# Allegro board pc065c_fibv2_toplevel_13_fix.brd (continued)
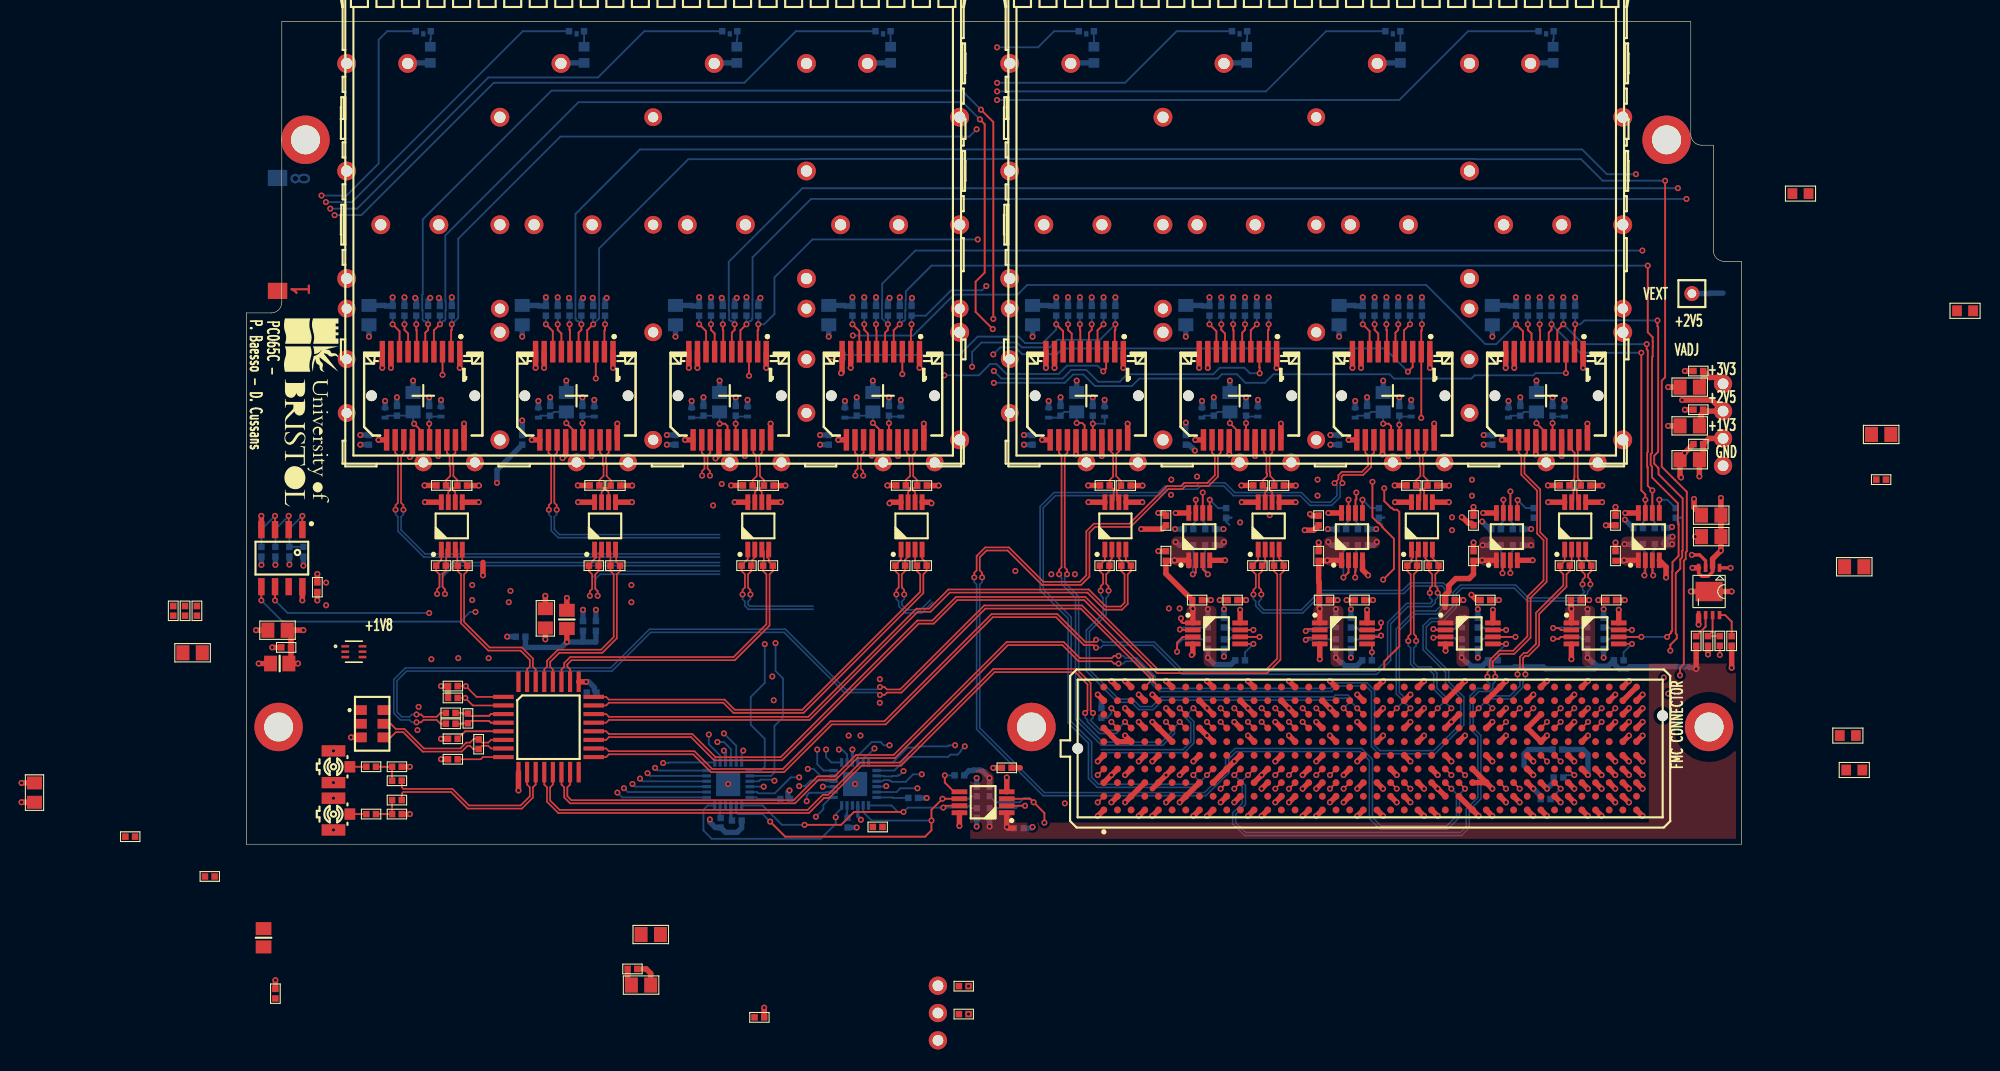
[diagram p0: board, top side]
## Routing (per net, layer and track width the routed paths; a pad name or vN(x,y) marks a point on that pad's centre or on a via; arc(x,y) is an arc through that point) (continued)
SFP_TX_DISABLE<6>: length 141.6
  TOP w0.17: v1(108,43.94) 108.44,44.38 J28.3
  L3_SIG w0.17: v1(53.9,8.8) 53.9,10.7 54.8,11.6 56.5,11.6 59.5,8.6 59.5,6.7 60,6.2 61.3,6.2 63.1,8 67.2,8 68.3,9.1 68.3,18.5 71.4,21.6 74.4,21.6 75.3,20.7 81.1,20.7 85.3,16.5 92.9,16.5 102.9,26.5 102.9,30.1 103.9,31.1 108.2,31.1 109.1,32 109.1,36.1 106.5,38.7 106.5,42.44 v1(108,43.94)
  BOTTOM w0.17: v1(69.45,45.55) 70.1,46.2 71.5,46.2 72.13,45.57 75.37,45.57 75.9,46.1 105.84,46.1 v1(108,43.94) ; v1(53.9,8.8) 53.9,8.1 54.4,7.6 IC10.7
SFP_TX_DISABLE<7>: length 101.2
  TOP w0.17: J24.3 v1(122.69,43.81)
  L6_SIG w0.17: v1(55.1,8.8) 55.8,9.5 57.8,9.5 59.5,11.2 61,11.2 67.1,17.3 67.1,26.4 69.5,28.8 v1(69.5,42.9)
  BOTTOM w0.17: v1(122.69,43.81) 119.86,43.81 119.65,43.6 114.2,43.6 113.9,43.3 106.7,43.3 106.3,43.7 95.5,43.7 94.7,42.9 92.9,42.9 92.1,43.7 90.7,43.7 90.3,43.3 83.04,43.3 82.34,42.6 78.9,42.6 77.83,43.67 76.88,43.67 76.1,42.9 v1(69.5,42.9) ; v1(55.1,8.8) 55.4,8.8 55.85,8.35 IC10.8
TD_FFD_N<0>: length 45.9
  TOP w0.15: U3.2 18.59,27.4 18.59,25.93 R1.2 18.55,25.4 18.25,25.09 18.25,23.92 18.46,23.7 v1(18.46,23.27) ; J2.H8 v1(88.05,12.64)
  BOTTOM w0.15: 79.5,8.5 87.2,8.5 88.1,9.4 88.1,11.4 87.56,11.94 87.56,12.15 v1(88.05,12.64) ; 44.01,25.9 19.3,25.9 18.25,24.84 18.25,23.93 18.46,23.7 v1(18.46,23.27)
TD_FFD_N<1>: length 18.8
  TOP w0.15: v1(32.66,23.1) 32.66,23.53 32.45,23.75 32.45,25.09 32.75,25.4 R187.2 32.75,26.2 32.84,26.29 32.84,27.15 32.89,27.2 32.89,27.26 U4.2 ; J2.H11 v1(91.86,12.64)
  BOTTOM w0.15: v1(32.66,23.1) 32.66,23.54 32.45,23.76 32.45,24.64 32.9,25.1 44.01,25.1
TD_FFD_N<2>: length 12.5
  TOP w0.15: v1(46.87,23.22) 46.87,23.65 46.65,23.87 46.65,25.09 46.95,25.4 R189.2 47.05,26 47.05,26.44 47.27,26.66 U5.2 ; J2.H14 v1(95.67,12.64)
  BOTTOM w0.15: v1(46.87,23.22) 46.87,22.79 46.65,22.57 46.65,22.29 46.8,22.14 52.7,22.14
TD_FFD_N<3>: length 9.6
  TOP w0.15: v1(61.16,23.22) 61.16,23.65 60.95,23.87 60.95,25.09 61.25,25.4 R191.2 61.25,26.45 61.5,26.7 61.52,26.7 U6.2 ; J2.H17 v1(99.48,12.64)
  BOTTOM w0.15: v1(61.16,23.22) 61.16,22.79 60.95,22.57 60.95,22.26 61.41,21.79 62.68,21.79 63.59,22.7
TD_FFD_N<4>: length 40.5
  TOP w0.15: 103.86,12.07 v1(103.29,12.64) ; U10.2 80.47,26.57 80.25,26.35 R199.2 80.25,25.4 79.94,25.09 79.94,24.22 80.17,24 v1(80.17,23.57)
  BOTTOM w0.15: v1(80.17,23.57) 80.17,23.13 79.94,22.91 79.94,21.33 78.39,19.78 78.39,16.22 81.12,13.49 82.41,13.49 83.1,12.8 84.19,12.8 85.08,13.69 101.09,13.69 101.27,13.87 102.43,13.87 102.8,13.5 102.8,13.13 v1(103.29,12.64)
TD_FFD_N<5>: length 40
  TOP w0.15: J2.H23 v1(108.23,12.64) ; v1(94.36,23.22) 94.36,23.65 94.14,23.87 94.14,25.09 94.45,25.4 R197.2 94.72,26.18 U9.2
  BOTTOM w0.15: v1(94.36,23.22) 94.36,22.79 94.14,22.57 94.14,22.26 94.61,21.79 98.09,21.79 99.9,23.6 107.5,23.6 108.2,24.3 111.3,24.3 111.7,23.9 111.7,22.4 110.7,21.4 108.7,21.4 107.2,19.9 107.2,14.11 107.74,13.57 107.74,13.13 v1(108.23,12.64)
TD_FFD_N<6>: length 18.1
  TOP w0.15: v1(108.77,18.9) 108.77,19.33 108.55,19.55 108.55,25.09 108.85,25.4 R195.2 108.85,26.3 108.78,26.37 108.78,27.21 U8.2 ; J2.H26 v1(112.04,12.64)
  BOTTOM w0.15: v1(112.04,12.64) 111.55,13.13 111.55,13.66 110.69,14.52 110.69,15.92 110.12,16.49 108.92,16.49 108.55,16.87 108.55,18.24 108.77,18.46 v1(108.77,18.9)
TD_FFD_N<7>: length 20.6
  TOP w0.15: v1(118.92,15.8) 118.92,16.23 118.7,16.45 118.7,17.3 118.9,17.5 119.2,17.5 120.2,18.5 120.2,21.4 122.75,23.95 122.75,25.09 123.05,25.4 R193.2 123.22,26.07 U7.2 ; J2.H29 v1(115.85,12.64)
  BOTTOM w0.15: v1(118.92,15.8) 118.92,15.36 118.7,15.14 118.7,14.6 117.6,13.5 115.51,13.5 115.36,13.35 115.36,13.13 v1(115.85,12.64)
TD_FFD_P<0>: length 45.8
  TOP w0.15: J2.H7 v1(86.78,12.64) ; v1(17.73,23.27) 17.73,23.7 17.95,23.92 17.95,25.09 17.65,25.4 R1.1 17.65,25.96 18.12,26.43 U3.1
  BOTTOM w0.15: 44.01,26.19 19.18,26.19 17.95,24.97 17.95,23.93 17.73,23.7 v1(17.73,23.27) ; v1(86.78,12.64) 87.27,12.15 87.27,11.82 87.81,11.28 87.81,9.52 87.08,8.79 79.5,8.79
TD_FFD_P<1>: length 19.5
  TOP w0.15: v1(31.93,23.1) 31.93,23.53 32.16,23.75 32.16,25.09 31.85,25.4 R187.1 32.15,26.2 32.15,26.3 32.55,26.7 32.55,27.06 32.49,27.11 32.49,27.13 32.38,27.25 U4.1 ; J2.H10 v1(90.59,12.64)
  BOTTOM w0.15: 44.01,25.39 32.78,25.39 32.16,24.77 32.16,23.76 31.93,23.54 v1(31.93,23.1)
TD_FFD_P<2>: length 13.1
  TOP w0.15: U5.1 46.62,26.52 46.15,26.05 46.15,26 R189.1 46.05,25.4 46.35,25.09 46.35,23.87 46.13,23.65 v1(46.13,23.22) ; J2.H13 v1(94.4,12.64)
  BOTTOM w0.15: 52.7,21.84 46.67,21.84 46.35,22.16 46.35,22.57 46.13,22.79 v1(46.13,23.22)
TD_FFD_P<3>: length 10.4
  TOP w0.15: U6.1 60.88,26.47 60.35,25.95 R191.1 60.35,25.4 60.66,25.09 60.66,23.87 60.44,23.65 v1(60.44,23.22) ; 98.78,12.07 v1(98.21,12.64)
  BOTTOM w0.15: v1(60.44,23.22) 60.44,22.79 60.66,22.57 60.66,22.14 61.29,21.5 62.8,21.5 63.8,22.5
TD_FFD_P<4>: length 40.6
  TOP w0.15: v1(79.44,23.57) 79.44,24 79.66,24.22 79.66,25.09 79.35,25.4 R199.1 79.35,25.93 79.83,26.41 U10.1 ; J2.H19 v1(102.02,12.64)
  BOTTOM w0.15: v1(79.44,23.57) 79.44,23.13 79.66,22.91 79.66,21.45 78.1,19.9 78.1,16.1 81,13.2 82.29,13.2 82.98,12.51 84.31,12.51 85.2,13.4 101.21,13.4 101.39,13.58 102.31,13.58 102.51,13.38 102.51,13.13 v1(102.02,12.64)
TD_FFD_P<5>: length 40.1
  TOP w0.15: U9.1 94.08,26.46 93.55,25.93 R197.1 93.55,25.4 93.86,25.09 93.86,23.87 93.64,23.65 v1(93.64,23.22) ; J2.H22 v1(106.96,12.64)
  BOTTOM w0.15: v1(106.96,12.64) 107.45,13.13 107.45,13.45 106.91,13.99 106.91,20.02 108.58,21.69 110.58,21.69 111.41,22.52 111.41,23.78 111.18,24.01 108.32,24.01 107.62,23.31 100.02,23.31 98.21,21.5 94.49,21.5 93.86,22.14 93.86,22.57 93.64,22.79 v1(93.64,23.22)
TD_FFD_P<6>: length 18.3
  TOP w0.15: J2.H25 v1(110.77,12.64) ; U8.1 108.5,27.23 108.5,26.7 108.33,26.53 108.33,26.27 R195.1 107.95,25.4 108.25,25.09 108.25,19.55 108.03,19.33 v1(108.03,18.9)
  BOTTOM w0.15: v1(110.77,12.64) 111.26,13.13 111.26,13.54 110.4,14.4 110.4,15.8 110,16.2 108.8,16.2 108.25,16.75 108.25,18.24 108.03,18.46 v1(108.03,18.9)
TD_FFD_P<7>: length 20.7
  TOP w0.15: U7.1 122.58,26.36 122.52,26.3 122.52,26.27 R193.1 122.15,25.4 122.45,25.09 122.45,24.07 119.91,21.52 119.91,18.62 119.08,17.79 118.78,17.79 118.41,17.42 118.41,16.45 118.19,16.23 v1(118.19,15.8) ; J2.H28 v1(114.58,12.64)
  BOTTOM w0.15: v1(114.58,12.64) 115.07,13.13 115.07,13.47 115.39,13.79 117.48,13.79 118.41,14.72 118.41,15.14 118.19,15.36 v1(118.19,15.8)
UNNAMED_1_CAPCERSMDCL2_I31_B: length 5.7
  TOP w0.17: v1(15.6,39.1) 16.24,38.46 J7.15
  BOTTOM w0.17: v1(15.6,39.1) 15.5,39.2 C34.2 15.15,39.85 C35.2 13.09,39.85 L5.1
UNNAMED_1_CAPCERSMDCL2_I31_B_1: length 5.7
  TOP w0.17: v1(29.75,39.15) 30.49,38.41 J12.15
  BOTTOM w0.17: L7.1 27.34,39.85 C44.2 28.6,40.2 C43.2 v1(29.75,39.15)
UNNAMED_1_CAPCERSMDCL2_I31_B_2: length 6
  TOP w0.17: J16.15 44.74,38.88 44.52,39.1 v1(44,39.1)
  BOTTOM w0.17: v1(44,39.1) C48.2 43.65,39.85 C49.2 42.31,39.66 L9.1
UNNAMED_1_CAPCERSMDCL2_I31_B_3: length 5.7
  TOP w0.17: v1(58.25,39.17) 58.99,38.43 J20.15
  BOTTOM w0.17: v1(58.25,39.17) C53.2 57.9,39.85 C54.2 56.56,39.66 L11.1
UNNAMED_1_CAPCERSMDCL2_I31_B_4: length 5.7
  TOP w0.17: J24.15 120.69,38.41 v1(119.95,39.15)
  BOTTOM w0.17: L13.1 117.53,39.85 C63.2 118.8,40.2 C62.2 v1(119.95,39.15)
UNNAMED_1_CAPCERSMDCL2_I31_B_5: length 6
  TOP w0.17: J28.15 106.44,38.88 106.22,39.1 v1(105.7,39.1)
  BOTTOM w0.17: L15.1 103.28,39.85 C68.2 104.55,40.2 C67.2 v1(105.7,39.1)
UNNAMED_1_CAPCERSMDCL2_I31_B_6: length 5.7
  TOP w0.17: v1(91.45,39.15) 92.19,38.41 J32.15
  BOTTOM w0.17: v1(91.45,39.15) C72.2 90.3,40.2 C73.2 89.03,39.85 L17.1
UNNAMED_1_CAPCERSMDCL2_I31_B_7: length 6
  TOP w0.17: J36.15 77.94,38.95 77.72,39.17 v1(77.2,39.17)
  BOTTOM w0.17: v1(77.2,39.17) C77.2 76.05,40.2 C78.2 75.52,39.66 L19.1
UNNAMED_1_CAPCERSMDCL2_I35_B: length 3.4
  TOP w0.17: v1(17,39.1) 17,37.64 J7.16
  BOTTOM w0.17: L4.2 17.09,39.77 C33.2 v1(17,39.1)
UNNAMED_1_CAPCERSMDCL2_I35_B_1: length 3.4
  TOP w0.17: v1(31.25,39.15) 31.25,37.64 J12.16
  BOTTOM w0.17: L6.2 31.34,39.77 C42.2 v1(31.25,39.15)
UNNAMED_1_CAPCERSMDCL2_I35_B_2: length 3.4
  TOP w0.17: v1(45.5,39.1) 45.5,37.64 J16.16
  BOTTOM w0.17: v1(45.5,39.1) C47.2 45.59,39.77 L8.2
UNNAMED_1_CAPCERSMDCL2_I35_B_3: length 3.4
  TOP w0.17: v1(59.75,39.15) 59.75,37.64 J20.16
  BOTTOM w0.17: v1(59.75,39.15) C52.2 59.84,39.77 L10.2
UNNAMED_1_CAPCERSMDCL2_I35_B_4: length 3.4
  TOP w0.17: J24.16 121.45,37.64 v1(121.45,39.15)
  BOTTOM w0.17: v1(121.45,39.15) C61.2 121.53,39.77 L12.2
UNNAMED_1_CAPCERSMDCL2_I35_B_5: length 3.4
  TOP w0.17: v1(107.2,39) 107.2,37.64 J28.16
  BOTTOM w0.17: v1(107.2,39) C66.2 107.28,39.77 L14.2
UNNAMED_1_CAPCERSMDCL2_I35_B_6: length 3.4
  TOP w0.17: J32.16 92.95,37.64 v1(92.95,39.15)
  BOTTOM w0.17: v1(92.95,39.15) C71.2 93.03,39.77 L16.2
UNNAMED_1_CAPCERSMDCL2_I35_B_7: length 4.1
  TOP w0.17: J36.16 78.7,37.64 v1(78.7,39.1)
  BOTTOM w0.17: C76.2 v1(78.7,39.1) 79.78,39.1 79.8,39.08 L18.2
UNNAMED_1_CON20PSFP_I19_RATES_1: length 3.5
  TOP w0.17: v1(28.95,48.34) 28.95,47.83 29.29,47.49 J12.7
  BOTTOM w0.17: R41.1 v1(28.95,48.34)
UNNAMED_1_CON20PSFP_I19_RATES_2: length 3.5
  TOP w0.17: J16.7 43.54,47.49 43.2,47.83 v1(43.2,48.34)
  BOTTOM w0.17: R49.1 v1(43.2,48.34)
UNNAMED_1_CON20PSFP_I19_RATES_3: length 3.5
  TOP w0.17: J20.7 57.79,47.49 57.45,47.83 v1(57.45,48.34)
  BOTTOM w0.17: R57.1 v1(57.45,48.34)
UNNAMED_1_CON20PSFP_I19_RATES_4: length 3.5
  TOP w0.17: v1(119.15,48.34) 119.15,47.83 119.49,47.49 J24.7
  BOTTOM w0.17: R106.1 v1(119.15,48.34)
UNNAMED_1_CON20PSFP_I19_RATES_5: length 3.5
  TOP w0.17: v1(104.9,48.34) 104.9,47.83 105.24,47.49 J28.7
  BOTTOM w0.17: R114.1 v1(104.9,48.34)
UNNAMED_1_CON20PSFP_I19_RATES_6: length 3.5
  TOP w0.17: J32.7 90.99,47.49 90.65,47.83 v1(90.65,48.34)
  BOTTOM w0.17: R122.1 v1(90.65,48.34)
UNNAMED_1_CON20PSFP_I19_RATES_7: length 3.5
  TOP w0.17: v1(76.4,48.34) 76.4,47.83 76.74,47.49 J36.7
  BOTTOM w0.17: R130.1 v1(76.4,48.34)
UNNAMED_1_CON20PSFP_I19_RATESEL: length 3.5
  TOP w0.17: J7.7 15.04,47.49 14.7,47.83 v1(14.7,48.34)
  BOTTOM w0.17: R29.1 v1(14.7,48.34)
UNNAMED_1_RSMD0402_I7_B: length 3.3
  TOP w0.17: IC11.5 65.8,4.88 64.94,5.74 v1(64.94,6.4)
  BOTTOM w0.17: R133.2 v1(64.94,6.4)
UNNAMED_1_RSMD0402_I7_B_1: length 3.1
  TOP w0.17: IC12.5 v1(93.63,18.62)
  BOTTOM w0.17: v1(93.63,18.62) 92.85,17.84 R138.2
UNNAMED_1_RSMD0402_I7_B_2: length 1.9
  TOP w0.17: IC14.5 104.48,18.62 104.65,18.45 v1(104.65,17.84)
  BOTTOM w0.17: R143.2 v1(104.65,17.84)
UNNAMED_1_RSMD0402_I7_B_3: length 3.1
  TOP w0.17: IC15.5 v1(117.13,18.62)
  BOTTOM w0.17: R148.2 116.35,17.84 v1(117.13,18.62)
UNNAMED_1_RSMD0402_I7_B_4: length 3.1
  TOP w0.17: IC16.5 v1(128.83,18.62)
  BOTTOM w0.17: R153.2 128.05,17.84 v1(128.83,18.62)
UNNAMED_1_RSMD0402_I7_B_5: length 3.1
  TOP w0.17: 89.58,30.8 v1(89.58,32.03)
  BOTTOM w0.17: v1(89.58,32.03) 90.36,31.25 R158.2
UNNAMED_1_RSMD0402_I7_B_6: length 3.1
  TOP w0.17: 103.78,30.8 v1(103.78,32.03)
  BOTTOM w0.17: R163.2 104.56,31.25 v1(103.78,32.03)
UNNAMED_1_RSMD0402_I7_B_7: length 3
  TOP w0.17: v1(118.2,32) 118.17,31.98 IC19.5
  BOTTOM w0.17: R168.2 118.95,31.25 v1(118.2,32)
UNNAMED_1_RSMD0402_I7_B_8: length 3.1
  TOP w0.17: IC20.5 v1(131.38,32.03)
  BOTTOM w0.17: v1(131.38,32.03) 132.12,32.03 R173.2
UNNAMED_4_FMCHPCGENERIC_I62_GA0: length 2.2
  TOP w0.17: 121.64,5.72 v1(122.2,5.16)
  BOTTOM w0.17: v1(122.2,5.16) 121.85,4.8 121.85,4.8 R16.2
UNNAMED_4_FMCHPCGENERIC_I62_GA1: length 1.9
  TOP w0.17: 122.91,7 v1(123.47,6.43)
  BOTTOM w0.17: R20.2 122.68,6.43 v1(123.47,6.43)
UNNAMED_5_24AA025E48_I9_A0: length 6
  TOP w0.17: IC1.1 v1(5.21,30.53)
  BOTTOM w0.17: v1(5.21,30.53) 4,29.32 R202.1 R201.1
UNNAMED_5_24AA025E48_I9_A1: length 4.7
  TOP w0.17: 3.94,29.25 v1(3.94,30.53)
  BOTTOM w0.17: R204.1 2.7,29.3 v1(3.94,30.53)
UNNAMED_5_24AA025E48_I9_A2: length 4.7
  TOP w0.17: IC1.3 v1(2.67,30.53)
  BOTTOM w0.17: v1(2.67,30.53) 1.4,29.27 R203.1
UNNAMED_7_CAPCERSMDCL2_I28_B: length 2.7
  TOP w0.17: C101.2 138.1,20.7 137.5,21.3 U11.8
UNNAMED_7_MP20075REG_I17_EN: length 3.2
  TOP w0.17: R62.2 R182.2 136.32,19.77 U11.7
UNNAMED_7_MP20075REG_I17_REF: length 2.3
  TOP w0.17: R183.2 135.68,20.23 U11.6
UNNAMED_8_CAPCERSMDCL2_I154_B: length 2.8
  TOP w0.17: R18.1 R12.2 C30.2
UNNAMED_8_CAPCERSMDCL2_I158_B: length 2.8
  TOP w0.17: C121.2 R17.2 R19.1
UNNAMED_8_CAPCERSMDCL2_I167_A: length 4.6
  TOP w0.17: U1.3 22.73,12.1 22.57,11.94 20.82,11.94 R2.1 20.09,12.15 20.04,12.2 C16.1
UNNAMED_8_CAPCERSMDCL2_I168_B: length 4.6
  TOP w0.17: C18.2 20.04,11.2 20.09,11.25 R2.2 20.82,11.46 22.57,11.46 22.73,11.3 U1.4
UNNAMED_8_PCOAX_I121_A: length 1.5
  TOP w0.17: R18.2 PX3.1
UNNAMED_8_PCOAX_I155_A: length 1.5
  TOP w0.17: R19.2 PX4.1
UNNAMED_13_RSMD0402_I6_B: length 3
  BOTTOM w0.17: IC10.18 60.07,4.35 60.12,4.3 R31.2
UNNAMED_13_RSMD0402_I8_B: length 1.2
  BOTTOM w0.17: IC10.23 55.85,2.91 55.8,2.86 R32.2
UNNAMED_13_RSMD0402_I45_B: length 2.9
  BOTTOM w0.17: IC23.18 47.41,4.35 47.56,4.2 R180.2
UNNAMED_13_RSMD0402_I46_B: length 1.2
  BOTTOM w0.17: IC23.23 44.05,2.91 44,2.86 R181.2
UNNAMED_13_RSMD0603_I76_A: length 1.5
  BOTTOM w0.17: DS1.1 17.15,74.87 17.1,74.82 R30.1
UNNAMED_13_RSMD0603_I77_A: length 1.4
  BOTTOM w0.17: DS2.1 R33.1
UNNAMED_13_RSMD0603_I78_A: length 1.5
  BOTTOM w0.17: R58.1 45.6,74.82 45.65,74.87 DS3.1
UNNAMED_13_RSMD0603_I79_A: length 1.4
  BOTTOM w0.17: DS4.1 R59.1
UNNAMED_13_RSMD0603_I80_A: length 1.4
  BOTTOM w0.17: DS5.1 R60.1
UNNAMED_13_RSMD0603_I81_A: length 1.5
  BOTTOM w0.17: DS6.1 93.05,74.87 93,74.82 R61.1
UNNAMED_13_RSMD0603_I82_A: length 1.4
  BOTTOM w0.17: DS7.1 R63.1
UNNAMED_13_RSMD0603_I83_A: length 1.5
  BOTTOM w0.17: R64.1 121.5,74.82 121.55,74.87 DS8.1
VADJ: length 3.2
  TOP w0.5: 129.25,12.07 v1(129.82,12.64) ; 129.25,9.54 v1(129.82,10.1) ; J2.G39 v1(128.55,11.37) ; J2.E39 v1(128.55,7.7)
VIO_B_M2C: length 1.8
  TOP w0.5: J2.J39 129.25,14.62

## Copper pours and planes (outline as drawn; the poured copper is in the pictures)
GND on L2_GND, L7_GND: 3.8,76 133.8,76 133.8,66 134.24,64.94 135.3,64.5 135.9,64.5 135.9,55.2 136.34,54.14 137.4,53.7 138.5,53.7 138.5,0.5 0.5,0.5 0.5,48.9 2.3,48.9 3.36,49.34 3.8,50.4 3.8,50.7 6.1,50.7 6.1,62.7 3.8,62.7
P1V3 on L5_PWR: 3.8,76 133.8,76 133.8,66 134.24,64.94 135.3,64.5 135.9,64.5 135.9,55.2 136.34,54.14 137.4,53.7 138.5,53.7 138.5,0.5 0.5,0.5 0.5,48.9 2.3,48.9 3.36,49.34 3.8,50.4 3.8,50.7 6.1,50.7 6.1,62.7 3.8,62.7
P2V5 on TOP: 113.2,16.5 113.55,16.65 113.7,17 113.7,21.7 113.55,22.05 113.2,22.2 111.4,22.2 111.05,22.05 110.9,21.7 110.9,20.8 111.05,20.45 111.4,20.3 112,20.3 112.35,20.15 112.5,19.8 112.5,17 112.65,16.65 113,16.5
P2V5 on TOP: 101.5,16.5 101.85,16.65 102,17 102,21.7 101.85,22.05 101.5,22.2 99.7,22.2 99.35,22.05 99.2,21.7 99.2,20.8 99.35,20.45 99.7,20.3 100.3,20.3 100.65,20.15 100.8,19.8 100.8,17 100.95,16.65 101.3,16.5
P2V5 on TOP: 91.2,28.1 91.05,28.45 90.7,28.6 86.48,28.6 86.13,28.45 85.98,28.1 85.98,26.42 86.13,26.07 86.48,25.92 87.38,25.92 87.74,26.07 87.88,26.42 87.88,27.02 88.03,27.38 88.38,27.52 90.7,27.52 91.05,27.67 91.2,28.02
P2V5 on TOP: 130.4,16.8 138.5,16.8 138.5,0.5 67.3,0.5 67.3,6 67.59,6.71 68.3,7 68.5,7 69.21,6.71 69.5,6 69.5,4.2 69.79,3.49 70.5,3.2 71.1,3.2 71.1,2.8 71.21,2.48 71.5,2.31 71.5,2 130.4,2
P2V5 on TOP: 124.9,16.5 125.25,16.65 125.4,17 125.4,21.7 125.25,22.05 124.9,22.2 123.1,22.2 122.75,22.05 122.6,21.7 122.6,20.8 122.75,20.45 123.1,20.3 123.7,20.3 124.05,20.15 124.2,19.8 124.2,17 124.35,16.65 124.7,16.5
P2V5 on TOP: 89.7,16.5 90.05,16.65 90.2,17 90.2,21.7 90.05,22.05 89.7,22.2 87.9,22.2 87.55,22.05 87.4,21.7 87.4,20.8 87.55,20.45 87.9,20.3 88.5,20.3 88.85,20.15 89,19.8 89,17 89.15,16.65 89.5,16.5
P2V5 on TOP: 105.4,28.1 105.25,28.45 104.9,28.6 100.7,28.6 100.35,28.45 100.2,28.1 100.2,26.4 100.35,26.05 100.7,25.9 101.6,25.9 101.95,26.05 102.1,26.4 102.1,27 102.25,27.35 102.6,27.5 104.9,27.5 105.25,27.65 105.4,28
P2V5 on BOTTOM: 132.4,30.8 133.5,30.8 133.5,28.5 133.21,27.79 132.5,27.5 86.1,27.5 86.1,29.9 86.28,29.75 86.5,29.7 90.6,29.7 90.6,30.8 91.7,30.8 91.7,30.2 91.85,29.85 92.2,29.7 104.8,29.7 104.8,30.8 105.9,30.8 105.9,30.2 106.05,29.85 106.4,29.7 119.2,29.7 119.2,30.8 120.3,30.8 120.3,30.2 120.45,29.85 120.8,29.7 132.4,29.7
P2V5 on BOTTOM: 47.8,131.9 48.09,132.61 48.8,132.9 56.7,132.9 57.05,132.75 57.2,132.4 57.2,131.7 57.35,131.35 57.7,131.2 85,131.2 85.71,130.91 86.15,129.85 86.5,129.7 90.6,129.7 90.6,130.8 91.7,130.8 91.7,130.2 91.85,129.85 92.2,129.7 104.8,129.7 104.8,130.8 105.9,130.8 105.9,130.2 106.05,129.85 106.4,129.7 119.2,129.7 119.2,130.8 120.3,130.8 120.3,130.2 120.45,129.85 120.8,129.7 132.4,129.7 132.4,130.8 133.5,130.8 133.5,128.5 133.21,127.79 132.5,127.5 70.7,127.5 70.35,127.35 70.17,126.93 70.1,126.9 69,126.9 68.93,126.93 68.75,127.35 68.4,127.5 57.7,127.5 56.99,127.21 56.7,126.5 56.7,126.4 56.41,125.69 55.7,125.4 6.5,125.4 5.79,125.69 5.5,126.4 5.5,131.9 5.79,132.61 6.5,132.9 13.4,132.9 14.11,132.61 14.4,131.9 14.4,127.4 14.69,126.69 15.4,126.4 18.8,126.4 19.51,126.69 19.8,127.4 19.8,131.9 20.09,132.61 20.8,132.9 27.7,132.9 28.41,132.61 28.7,131.9 28.7,127.4 28.99,126.69 29.7,126.4 33,126.4 33.71,126.69 34,127.4 34,131.9 34.29,132.61 35,132.9 41.9,132.9 42.61,132.61 42.9,131.9 42.9,127.4 43.19,126.69 43.9,126.4 46.8,126.4 47.51,126.69 47.8,127.4
P2V5 on L5_PWR: 76.9,25.4 81.8,25.4 81.8,17.2 78.4,17.2 76.9,18.7
P2V5_FILT on L7_GND: 22.4,15.9 22.4,14.4 22.55,14.05 22.9,13.9 23.2,13.9 23.55,14.05 23.7,14.4 23.7,15.9 24.3,15.9 24.3,14.2 24.39,13.99 24.6,13.9 24.9,13.9 25.11,13.99 25.2,14.2 25.2,15.9 25.8,15.9 25.8,15.1 25.7,15.1 25.7,14.1 25.76,13.96 26.11,13.81 26.2,13.6 26.2,6.4 26.05,6.05 25.7,5.9 24.3,5.9 23.95,6.05 23.8,6.4 23.8,6.9 23.95,7.25 24.3,7.4 24.5,7.4 25.21,7.69 25.5,8.4 25.5,11.7 25.21,12.41 24.5,12.7 22.6,12.7 21.89,12.99 21.6,13.7 21.6,15.9
P3V3 on L4_PWR: 3.8,76 133.8,76 133.8,66 134.24,64.94 135.3,64.5 135.9,64.5 135.9,55.2 136.34,54.14 137.4,53.7 138.5,53.7 138.5,0.5 0.5,0.5 0.5,48.9 2.3,48.9 3.36,49.34 3.8,50.4 3.8,50.7 6.1,50.7 6.1,62.7 3.8,62.7
P3V3A on L7_GND: 4.9,20.3 4.55,20.15 4.4,19.8 4.4,13.9 5.28,11.78 7.4,10.9 19.5,10.9 20.21,11.19 20.5,11.9 20.5,18.3 20.21,19.01 19.5,19.3 16.6,19.3 15.89,19.01 15.6,18.3 15.6,17.3 15.31,16.59 14.6,16.3 7,16.3 6.29,16.59 6,17.3 6,19.8 5.85,20.15 5.5,20.3
Net_2 on L7_GND (solid shape): 3.8,59.7 2,59.7 2,61.2 3.8,61.2
Net_3 on L6_SIG (solid shape): 3.8,58.2 2,58.2 2,59.7 3.8,59.7
Net_4 on L5_PWR (solid shape): 3.8,56.7 2,56.7 2,58.2 3.8,58.2
Net_5 on L4_PWR (solid shape): 3.8,55.2 2,55.2 2,56.7 3.8,56.7
Net_6 on L3_SIG (solid shape): 3.8,53.7 2,53.7 2,55.2 3.8,55.2
Net_7 on L2_GND (solid shape): 3.8,52.2 2,52.2 2,53.7 3.8,53.7
Net_8 on TOP (solid shape): 3.8,50.7 2,50.7 2,52.2 3.8,52.2
Net_9 on BOTTOM (solid shape): 3.8,61.2 2,61.2 2,62.7 3.8,62.7
VADJ on BOTTOM: 134.1,46.5 134.39,47.21 135.1,47.5 138.5,47.5 138.5,5.7 127.4,5.7 127.4,16 134.1,16 ; 1 cut-out
P2V5 on TOP: 119.8,28.1 119.65,28.45 119.3,28.6 115.1,28.6 114.75,28.45 114.6,28.1 114.6,26.4 114.75,26.05 115.1,25.9 116,25.9 116.35,26.05 116.5,26.4 116.5,27 116.65,27.35 117,27.5 119.8,27.5
P2V5 on TOP: 133,28.6 128.3,28.6 127.95,28.45 127.8,28.1 127.8,26.4 127.95,26.05 128.3,25.9 129.2,25.9 129.55,26.05 129.7,26.4 129.7,27 129.85,27.35 130.2,27.5 132.5,27.5 132.85,27.65 133,28
P2V5 on L5_PWR: 138.5,47.4 138.5,50 134.6,50 132.48,49.12 131.6,47 131.6,17.2 131.89,16.49 132.6,16.2 134.3,16.2 135.01,16.49 135.3,17.2 135.3,22 135.15,22.35 134.8,22.5 134.4,22.5 134.05,22.65 133.9,23 133.9,39.1 134.05,39.45 134.4,39.6 134.8,39.6 135.15,39.75 135.3,40.1 135.3,46.4 135.59,47.11 136.3,47.4
Net_40 on L5_PWR: 29.8,14.1 29.51,14.81 28.8,15.1 28.6,15.1 27.89,14.81 27.6,14.1 27.6,6 27.31,5.29 26.6,5 20.7,5 20.35,4.85 20.2,4.5 20.2,3.5 20.05,3.15 19.7,3 7,3 6.29,3.29 6,4 6,17.9 6.29,18.61 7,18.9 10.2,18.9 10.91,19.19 11.2,19.9 11.2,20.5 10.91,21.21 10.2,21.5 6,21.5 4.02,20.68 3.2,18.7 3.2,0.5 29.8,0.5

## Text on the board
BOTTOM: 8
Ref Des/Silkscreen Bottom: GND | OSC_CLK | +1V8 | SDA | SCL | VEXT | VADJ | +2V5 | +3V3 | +1V3 | P. Baesso - D. Cussans | PC065C - | I2C BUS | POWER P2V5 RAIL | PLACE JUMPER TO | 0 | 1 | 2 | 3 | 4 | 5 | 6 | 7
User.Comments: PIN A1 REF. | Paolo Baesso, May 2020, David Cussans, July 2023 | pc065b | SECOND CONNECTOR | (OPTIONAL) | PRIMARY CONNECTOR
TOP: 1
Ref Des/Silkscreen Top: +1V8 | VEXT | +2V5 | VADJ | +3V3 | +1V3 | GND | FMC CONNECTOR | P. Baesso - D. Cussans | PC065C -
L2_GND: 2
L3_SIG: 3
L4_PWR: 4
L5_PWR: 5
L6_SIG: 6
L7_GND: 7
DIMENSION: INPUT 1
BODY_CENTER: FIGURE | FINISHED_SIZE | 0.3 | 0.8128 | 0.95 | 1.0 | 1.05 | 2.7 | 1.3005 | 1.55 | DRILL CHART: TOP to BOTTOM | ALL UNITS ARE IN MILLIMETERS | PLATED | NON-PLATED | QTY | 1156 | 2 | 40 | 13 | 52 | 5 | 16
